# Altium PCB 0020-03_FFT2G.PcbDoc (part 8 of 16) (continued)
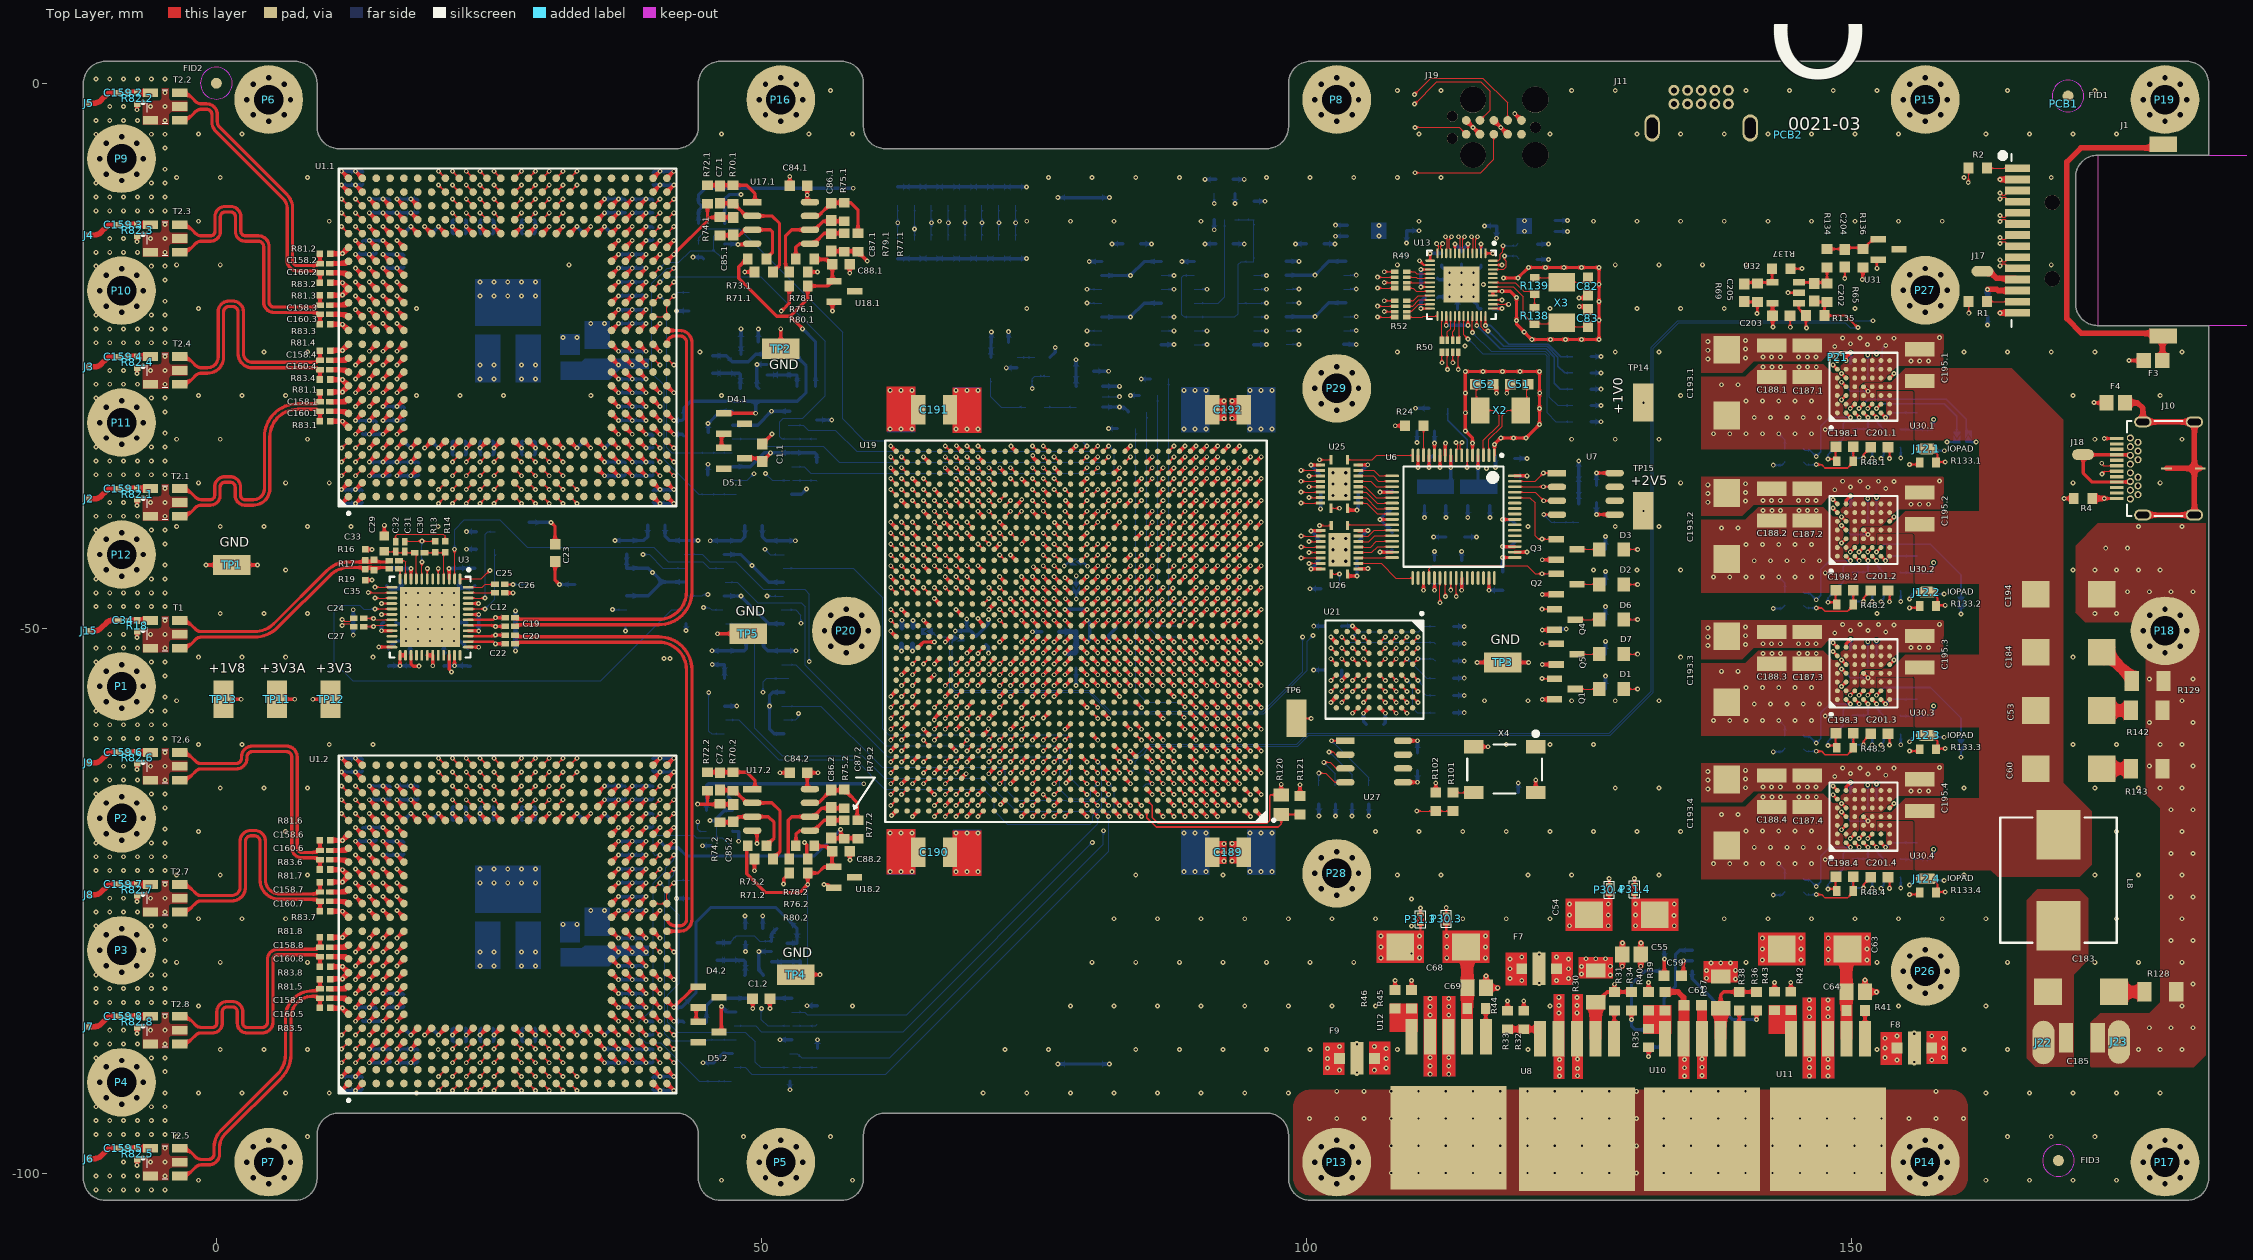
[diagram p0: Top Layer view]
## Nets (pads, with @x,y where several pads share a name; then routed paths per layer and width w, separated by ;. In a path a pad name is that pad's centre, name@x,y a point inside that pad or via, vN(x,y) a via of type N, cw(c..) or ccw(c..) an arc to the next point about the centre after c; other vN are vias at no path point) (continued)
  Top Layer w0.3: v1(-7.273,-99.29) R82.5.2@-7.273,-98.728 ; v1(-7.273,-87.183) R82.8.2@-7.273,-86.621 ; v1(-7.273,-75.076) R82.7.2@-7.273,-74.514 ; v1(-7.273,-62.969) R82.6.2@-7.273,-62.407 ; v1(-7.273,-50.862) R18.2@-7.273,-50.3 ; v1(-7.273,-38.755) R82.1.2@-7.273,-38.193 ; v1(-7.273,-26.647) R82.4.2@-7.273,-26.085 ; v1(-7.273,-14.54) R82.3.2@-7.273,-13.978 ; v1(-7.273,-2.432) R82.2.2@-7.273,-1.87 ; v1(-0.948,-44.207) v1(3.776,-44.207) ; v1(11.493,-92.418) U1.2.A1@12.128,-91.783 ; v1(11.493,-61.938) U1.2.A24@12.128,-62.573 ; v1(11.493,-38.562) U1.1.A1@12.128,-37.927 ; v1(11.493,-8.082) U1.1.A24@12.128,-8.717 ; v1(12.763,-92.418) U1.2.B1@13.398,-91.783 ; v1(12.763,-86.068) U1.2.B6@13.398,-85.433 ; v1(12.763,-84.798) U1.2.B7@13.398,-84.163 ; v1(12.763,-83.528) U1.2.B8@13.398,-82.893 ; v1(12.763,-82.258) U1.2.B9@13.398,-81.623 ; v1(12.763,-80.988) U1.2.B10@13.398,-80.353 ; v1(12.763,-79.718) U1.2.B11@13.398,-79.083 ; v1(12.763,-74.638) U1.2.B14@13.398,-75.273 ; v1(12.763,-73.368) U1.2.B15@13.398,-74.003 ; v1(12.763,-72.098) U1.2.B16@13.398,-72.733 ; v1(12.763,-70.828) U1.2.B17@13.398,-71.463 ; v1(12.763,-69.558) U1.2.B18@13.398,-70.193 ; v1(12.763,-68.288) U1.2.B19@13.398,-68.923 ; v1(12.763,-61.938) U1.2.B24@13.398,-62.573 ; v1(12.763,-38.562) U1.1.B1@13.398,-37.927 ; v1(12.763,-32.212) U1.1.B6@13.398,-31.577 ; v1(12.763,-30.942) U1.1.B7@13.398,-30.307 ; v1(12.763,-29.672) U1.1.B8@13.398,-29.037 ; v1(12.763,-28.402) U1.1.B9@13.398,-27.767 ; v1(12.763,-27.132) U1.1.B10@13.398,-26.497 ; v1(12.763,-25.862) U1.1.B11@13.398,-25.227 ; v1(12.763,-20.782) U1.1.B14@13.398,-21.417 ; v1(12.763,-19.512) U1.1.B15@13.398,-20.147 ; v1(12.763,-18.242) U1.1.B16@13.398,-18.877 ; v1(12.763,-16.972) U1.1.B17@13.398,-17.607 ; v1(12.763,-15.702) U1.1.B18@13.398,-16.337 ; v1(12.763,-14.432) U1.1.B19@13.398,-15.067 ; v1(12.763,-8.082) U1.1.B24@13.398,-8.717 ; R19.2@13.646,-45.588 v1(14.271,-45.588) ; R16.2@13.646,-42.78 v1(14.271,-42.78) ; v1(14.033,-88.608) U1.2.C4@14.668,-87.973 ; v1(14.033,-84.798) U1.2.C7@14.668,-84.163 ; v1(14.033,-83.528) U1.2.C8@14.668,-82.893 ; v1(14.033,-82.258) U1.2.C9@14.668,-81.623 ; v1(14.033,-80.988) U1.2.C10@14.668,-80.353 ; v1(14.033,-79.718) U1.2.C11@14.668,-79.083 ; v1(14.033,-78.448) U1.2.C12@14.668,-77.813 ; v1(14.033,-75.908) U1.2.C13@14.668,-76.543 ; v1(14.033,-74.638) U1.2.C14@14.668,-75.273 ; v1(14.033,-73.368) U1.2.C15@14.668,-74.003 ; v1(14.033,-72.098) U1.2.C16@14.668,-72.733 ; v1(14.033,-70.828) U1.2.C17@14.668,-71.463 ; v1(14.033,-69.558) U1.2.C18@14.668,-70.193 ; v1(14.033,-65.748) U1.2.C21@14.668,-66.383 ; v1(14.033,-34.752) U1.1.C4@14.668,-34.117 ; v1(14.033,-30.942) U1.1.C7@14.668,-30.307 ; v1(14.033,-29.672) U1.1.C8@14.668,-29.037 ; v1(14.033,-28.402) U1.1.C9@14.668,-27.767 ; v1(14.033,-27.132) U1.1.C10@14.668,-26.497 ; v1(14.033,-25.862) U1.1.C11@14.668,-25.227 ; v1(14.033,-24.592) U1.1.C12@14.668,-23.957 ; v1(14.033,-22.052) U1.1.C13@14.668,-22.687 ; v1(14.033,-20.782) U1.1.C14@14.668,-21.417 ; v1(14.033,-19.512) U1.1.C15@14.668,-20.147 ; v1(14.033,-18.242) U1.1.C16@14.668,-18.877 ; v1(14.033,-16.972) U1.1.C17@14.668,-17.607 ; v1(14.033,-15.702) U1.1.C18@14.668,-16.337 ; v1(14.033,-11.892) U1.1.C21@14.668,-12.527 ; v1(15.303,-88.608) U1.2.D4@15.938,-87.973 ; v1(15.303,-83.528) U1.2.D8@15.938,-82.893 ; v1(15.303,-82.258) U1.2.D9@15.938,-81.623 ; v1(15.303,-80.988) U1.2.D10@15.938,-80.353 ; v1(15.303,-79.718) U1.2.D11@15.938,-79.083 ; v1(15.303,-78.448) U1.2.D12@15.938,-77.813 ; v1(15.303,-75.908) U1.2.D13@15.938,-76.543 ; v1(15.303,-74.638) U1.2.D14@15.938,-75.273 ; v1(15.303,-73.368) U1.2.D15@15.938,-74.003 ; v1(15.303,-72.098) U1.2.D16@15.938,-72.733 ; v1(15.303,-70.828) U1.2.D17@15.938,-71.463 ; v1(15.303,-65.748) U1.2.D21@15.938,-66.383 ; v1(15.303,-34.752) U1.1.D4@15.938,-34.117 ; v1(15.303,-29.672) U1.1.D8@15.938,-29.037 ; v1(15.303,-28.402) U1.1.D9@15.938,-27.767 ; v1(15.303,-27.132) U1.1.D10@15.938,-26.497 ; v1(15.303,-25.862) U1.1.D11@15.938,-25.227 ; v1(15.303,-24.592) U1.1.D12@15.938,-23.957 ; v1(15.303,-22.052) U1.1.D13@15.938,-22.687 ; v1(15.303,-20.782) U1.1.D14@15.938,-21.417 ; v1(15.303,-19.512) U1.1.D15@15.938,-20.147 ; v1(15.303,-18.242) U1.1.D16@15.938,-18.877 ; v1(15.303,-16.972) U1.1.D17@15.938,-17.607 ; v1(15.303,-11.892) U1.1.D21@15.938,-12.527 ; C29.2@15.408,-41.45 v1(15.408,-40.567) ; v1(16.573,-88.608) U1.2.E4@17.208,-87.973 ; v1(16.573,-87.338) U1.2.E5@17.208,-86.703 ; v1(16.573,-83.528) U1.2.E8@17.208,-82.893 ; v1(16.573,-82.258) U1.2.E9@17.208,-81.623 ; v1(16.573,-80.988) U1.2.E10@17.208,-80.353 ; v1(16.573,-79.718) U1.2.E11@17.208,-79.083 ; v1(16.573,-78.448) U1.2.E12@17.208,-77.813 ; v1(16.573,-75.908) U1.2.E13@17.208,-76.543 ; v1(16.573,-74.638) U1.2.E14@17.208,-75.273 ; v1(16.573,-73.368) U1.2.E15@17.208,-74.003 ; v1(16.573,-72.098) U1.2.E16@17.208,-72.733 ; v1(16.573,-70.828) U1.2.E17@17.208,-71.463 ; v1(16.573,-67.018) U1.2.E20@17.208,-67.653 ; v1(16.573,-65.748) U1.2.E21@17.208,-66.383 ; v1(16.573,-34.752) U1.1.E4@17.208,-34.117 ; v1(16.573,-33.482) U1.1.E5@17.208,-32.847 ; v1(16.573,-29.672) U1.1.E8@17.208,-29.037 ; v1(16.573,-28.402) U1.1.E9@17.208,-27.767 ; v1(16.573,-27.132) U1.1.E10@17.208,-26.497 ; v1(16.573,-25.862) U1.1.E11@17.208,-25.227 ; v1(16.573,-24.592) U1.1.E12@17.208,-23.957 ; v1(16.573,-22.052) U1.1.E13@17.208,-22.687 ; v1(16.573,-20.782) U1.1.E14@17.208,-21.417 ; v1(16.573,-19.512) U1.1.E15@17.208,-20.147 ; v1(16.573,-18.242) U1.1.E16@17.208,-18.877 ; v1(16.573,-16.972) U1.1.E17@17.208,-17.607 ; v1(16.573,-13.162) U1.1.E20@17.208,-13.797 ; v1(16.573,-11.892) U1.1.E21@17.208,-12.527 ; v1(17.843,-88.608) U1.2.F4@18.478,-87.973 ; v1(17.843,-87.338) U1.2.F5@18.478,-86.703 ; v1(17.843,-67.018) U1.2.F20@18.478,-67.653 ; v1(17.843,-65.748) U1.2.F21@18.478,-66.383 ; v1(17.843,-34.752) U1.1.F4@18.478,-34.117 ; v1(17.843,-33.482) U1.1.F5@18.478,-32.847 ; v1(17.843,-13.162) U1.1.F20@18.478,-13.797 ; v1(17.843,-11.892) U1.1.F21@18.478,-12.527 ; U3.27@17.856,-52.491 17.856,-53.266 18.081,-53.491 v1(18.585,-53.491) ; v1(19.113,-87.338) U1.2.G5@19.748,-86.703 ; v1(19.113,-67.018) U1.2.G20@19.748,-67.653 ; v1(19.113,-33.482) U1.1.G5@19.748,-32.847 ; v1(19.113,-13.162) U1.1.G20@19.748,-13.797 ; U3.34@21.356,-52.491 21.356,-53.794 v1(21.573,-54.011) ; v1(21.653,-87.338) U1.2.J5@22.288,-86.703 ; v1(21.653,-67.018) U1.2.J20@22.288,-67.653 ; v1(21.653,-33.482) U1.1.J5@22.288,-32.847 ; v1(21.653,-13.162) U1.1.J20@22.288,-13.797 ; v1(24.193,-87.338) U1.2.L5@24.828,-86.703 ; v1(24.193,-67.018) U1.2.L20@24.828,-67.653 ; v1(24.193,-33.482) U1.1.L5@24.828,-32.847 ; v1(24.193,-13.162) U1.1.L20@24.828,-13.797 ; C26.2@26.468,-46.759 v1(27.21,-46.759) ; U1.2.P5@28.638,-86.703 v1(29.273,-87.338) ; U1.2.P20@28.638,-67.653 v1(29.273,-67.018) ; U1.1.P5@28.638,-32.847 v1(29.273,-33.482) ; U1.1.P20@28.638,-13.797 v1(29.273,-13.162) ; C23.1@31.081,-43.902 31.081,-45.604 v1(31.471,-45.994) ; U1.2.T5@31.178,-86.703 v1(31.813,-87.338) ; U1.2.T20@31.178,-67.653 v1(31.813,-67.018) ; U1.1.T5@31.178,-32.847 v1(31.813,-33.482) ; U1.1.T20@31.178,-13.797 v1(31.813,-13.162) ; U1.2.V5@33.718,-86.703 v1(34.353,-87.338) ; U1.2.V20@33.718,-67.653 v1(34.353,-67.018) ; U1.1.V5@33.718,-32.847 v1(34.353,-33.482) ; U1.1.V20@33.718,-13.797 v1(34.353,-13.162) ; U1.2.W4@34.988,-87.973 v1(35.623,-88.608) ; U1.2.W5@34.988,-86.703 v1(35.623,-87.338) ; U1.2.W20@34.988,-67.653 v1(35.623,-67.018) ; U1.2.W21@34.988,-66.383 v1(35.623,-65.748) ; U1.1.W4@34.988,-34.117 v1(35.623,-34.752) ; U1.1.W5@34.988,-32.847 v1(35.623,-33.482) ; U1.1.W20@34.988,-13.797 v1(35.623,-13.162) ; U1.1.W21@34.988,-12.527 v1(35.623,-11.892) ; U1.2.Y4@36.258,-87.973 v1(36.893,-88.608) ; U1.2.Y5@36.258,-86.703 v1(36.893,-87.338) ; U1.2.Y8@36.258,-82.893 v1(36.893,-83.528) ; U1.2.Y9@36.258,-81.623 v1(36.893,-82.258) ; U1.2.Y12@36.258,-77.813 v1(36.893,-78.448) ; U1.2.Y13@36.258,-76.543 v1(36.893,-75.908) ; U1.2.Y16@36.258,-72.733 v1(36.893,-72.098) ; U1.2.Y17@36.258,-71.463 v1(36.893,-70.828) ; U1.2.Y20@36.258,-67.653 v1(36.893,-67.018) ; U1.2.Y21@36.258,-66.383 v1(36.893,-65.748) ; U1.1.Y4@36.258,-34.117 v1(36.893,-34.752) ; U1.1.Y5@36.258,-32.847 v1(36.893,-33.482) ; U1.1.Y8@36.258,-29.037 v1(36.893,-29.672) ; U1.1.Y9@36.258,-27.767 v1(36.893,-28.402) ; U1.1.Y12@36.258,-23.957 v1(36.893,-24.592) ; U1.1.Y13@36.258,-22.687 v1(36.893,-22.052) ; U1.1.Y16@36.258,-18.877 v1(36.893,-18.242) ; U1.1.Y17@36.258,-17.607 v1(36.893,-16.972) ; U1.1.Y20@36.258,-13.797 v1(36.893,-13.162) ; U1.1.Y21@36.258,-12.527 v1(36.893,-11.892) ; U1.2.AA4@37.528,-87.973 v1(38.163,-88.608) ; U1.2.AA8@37.528,-82.893 v1(38.163,-83.528) ; U1.2.AA9@37.528,-81.623 v1(38.163,-82.258) ; U1.2.AA12@37.528,-77.813 v1(38.163,-78.448) ; U1.2.AA13@37.528,-76.543 v1(38.163,-75.908) ; U1.2.AA16@37.528,-72.733 v1(38.163,-72.098) ; U1.2.AA17@37.528,-71.463 v1(38.163,-70.828) ; U1.2.AA21@37.528,-66.383 v1(38.163,-65.748) ; U1.1.AA4@37.528,-34.117 v1(38.163,-34.752) ; U1.1.AA8@37.528,-29.037 v1(38.163,-29.672) ; U1.1.AA9@37.528,-27.767 v1(38.163,-28.402) ; U1.1.AA12@37.528,-23.957 v1(38.163,-24.592) ; U1.1.AA13@37.528,-22.687 v1(38.163,-22.052) ; U1.1.AA16@37.528,-18.877 v1(38.163,-18.242) ; U1.1.AA17@37.528,-17.607 v1(38.163,-16.972) ; U1.1.AA21@37.528,-12.527 v1(38.163,-11.892) ; U1.2.AB4@38.798,-87.973 v1(39.433,-88.608) ; U1.2.AB6@38.798,-85.433 v1(39.433,-86.068) ; U1.2.AB8@38.798,-82.893 v1(39.433,-83.528) ; U1.2.AB9@38.798,-81.623 v1(39.433,-82.258) ; U1.2.AB12@38.798,-77.813 v1(39.433,-78.448) ; U1.2.AB13@38.798,-76.543 v1(39.433,-75.908) ; U1.2.AB16@38.798,-72.733 v1(39.433,-72.098) ; U1.2.AB17@38.798,-71.463 v1(39.433,-70.828) ; U1.2.AB19@38.798,-68.923 v1(39.433,-68.288) ; U1.2.AB21@38.798,-66.383 v1(39.433,-65.748) ; U1.1.AB4@38.798,-34.117 v1(39.433,-34.752) ; U1.1.AB6@38.798,-31.577 v1(39.433,-32.212) ; U1.1.AB8@38.798,-29.037 v1(39.433,-29.672) ; U1.1.AB9@38.798,-27.767 v1(39.433,-28.402) ; U1.1.AB12@38.798,-23.957 v1(39.433,-24.592) ; U1.1.AB13@38.798,-22.687 v1(39.433,-22.052) ; U1.1.AB16@38.798,-18.877 v1(39.433,-18.242) ; U1.1.AB17@38.798,-17.607 v1(39.433,-16.972) ; U1.1.AB19@38.798,-15.067 v1(39.433,-14.432) ; U1.1.AB21@38.798,-12.527 v1(39.433,-11.892) ; U1.2.AC1@40.068,-91.783 v1(40.703,-92.418) ; U1.2.AC6@40.068,-85.433 v1(40.703,-86.068) ; U1.2.AC7@40.068,-84.163 v1(40.703,-84.798) ; U1.2.AC8@40.068,-82.893 v1(40.703,-83.528) ; U1.2.AC12@40.068,-77.813 v1(40.703,-78.448) ; U1.2.AC13@40.068,-76.543 v1(40.703,-75.908) ; U1.2.AC19@40.068,-68.923 v1(40.703,-68.288) ; U1.2.AC24@40.068,-62.573 v1(40.703,-61.938) ; U1.1.AC1@40.068,-37.927 v1(40.703,-38.562) ; U1.1.AC6@40.068,-31.577 v1(40.703,-32.212) ; U1.1.AC7@40.068,-30.307 v1(40.703,-30.942) ; U1.1.AC8@40.068,-29.037 v1(40.703,-29.672) ; U1.1.AC12@40.068,-23.957 v1(40.703,-24.592) ; U1.1.AC13@40.068,-22.687 v1(40.703,-22.052) ; U1.1.AC19@40.068,-15.067 v1(40.703,-14.432) ; U1.1.AC24@40.068,-8.717 v1(40.703,-8.082) ; U1.2.AD1@41.338,-91.783 v1(41.973,-92.418) ; U1.2.AD6@41.338,-85.433 v1(41.973,-86.068) ; U1.2.AD9@41.338,-81.623 v1(41.973,-82.258) ; U1.2.AD19@41.338,-68.923 v1(41.973,-68.288) ; U1.2.AD24@41.338,-62.573 v1(41.973,-61.938) ; U1.1.AD1@41.338,-37.927 v1(41.973,-38.562) ; U1.1.AD6@41.338,-31.577 v1(41.973,-32.212) ; U1.1.AD9@41.338,-27.767 v1(41.973,-28.402) ; U1.1.AD19@41.338,-15.067 v1(41.973,-14.432) ; U1.1.AD24@41.338,-8.717 v1(41.973,-8.082) ; v1(45.991,-50.512) TP5.1@48.785,-50.512 ; D5.2.3@46.323,-87.059 46.337,-87.045 v1(46.337,-84.72) ; v1(47.873,-14.789) 48.333,-14.789 48.346,-14.776 49.358,-14.776 U17.1.4@49.415,-14.719 ; v1(48.482,-17.314) R71.1.1@49.365,-17.314 ; D5.1.3@48.648,-34.409 49.776,-34.409 C1.1.2@50.081,-34.714 50.081,-34.689 50.406,-34.364 50.431,-34.364 50.848,-33.947 v1(50.848,-33.914) ; R71.2.1@49.365,-71.17 49.365,-72.256 v1(49.373,-72.264) ; U17.2.4@49.415,-68.575 49.598,-68.758 v1(49.598,-69.764) ; v1(50.792,-84.898) C1.2.2@50.792,-84.005 ; v1(51.717,-63.27) C84.2.1@52.615,-63.27 ; v1(51.782,-22.536) 51.782,-24.356 TP2.1@51.796,-24.369 ; C84.1.1@52.615,-9.414 v1(52.615,-8.571) ; TP4.1@53.165,-81.799 v1(55.39,-81.799) ; v1(53.973,-69.664) 54.165,-69.856 54.165,-71.07 R76.2.1@54.265,-71.17 ; R76.1.1@54.265,-17.314 v1(55.148,-17.314) ; v1(55.745,-73.518) 56.08,-73.518 56.37,-73.808 U18.2.2@56.495,-73.808 ; v1(56.52,-20.89) U18.1.2@56.52,-20.055 ; C88.2.1@58.115,-70.47 58.115,-71.256 v1(58.148,-71.289) ; v1(58.115,-17.427) C88.1.1@58.115,-16.614 ; v1(61.875,-56.28) U19.M34@62.375,-55.78 ; v1(61.875,-45.28) U19.AB34@62.375,-45.78 ; v1(61.875,-35.28) U19.AM34@62.375,-35.78 ; v1(61.875,-33.28) U19.AP34@62.375,-33.78 ; v1(61.959,-67.196) U19.A34@62.375,-66.78 ; v1(62.875,-59.28) U19.J33@63.375,-58.78 ; v1(62.875,-48.28) U19.W33@63.375,-48.78 ; v1(62.875,-38.297) 62.892,-38.297 U19.AJ33@63.375,-38.78 ; v1(63.875,-62.28) U19.F32@64.375,-61.78 ; v1(63.875,-41.28) U19.AF32@64.375,-41.78 ; U19.T32@64.375,-51.78 64.875,-51.28 65.87,-51.28 v1(65.875,-51.275) ; v1(64.875,-44.28) U19.AC31@65.375,-44.78 ; v1(64.875,-34.28) U19.AN31@65.375,-34.78 ; U19.C31@65.375,-64.78 v1(65.875,-65.28) ; U19.N31@65.375,-54.78 v1(65.87,-54.285) ; v1(65.873,-58.439) 65.873,-58.282 U19.K30@66.375,-57.78 ; v1(65.875,-47.28) U19.Y30@66.375,-47.78 ; v1(65.875,-37.28) U19.AK30@66.375,-37.78 ; v1(66.773,-40.339) 66.934,-40.339 U19.AG29@67.375,-40.78 ; v1(66.875,-51.28) U19.U29@67.375,-50.78 ; U19.G29@67.375,-60.78 v1(67.875,-61.28) ; v1(67.875,-54.28) U19.P28@68.375,-53.78 ; v1(67.875,-43.28) U19.AD28@68.375,-43.78 ; v1(67.898,-33.264) U19.AP28@68.375,-33.78 ; U19.D28@68.375,-63.78 v1@68.791,-63.364 ; v1(68.875,-67.28) U19.A27@69.375,-66.78 ; v1(68.875,-57.28) U19.L27@69.375,-56.78 ; v1(68.875,-46.28) U19.AA27@69.375,-46.78 ; v1(68.875,-36.28) U19.AL27@69.375,-36.78 ; v1@69.875,-49.1 U19.V26@70.375,-49.78 ; v1(69.875,-39.28) U19.AH26@70.375,-39.78 ; U19.H26@70.375,-59.78 v1@70.791,-59.364 ; v1(70.873,-63.364) 71.375,-62.862 U19.E25@71.375,-62.78 ; v1(70.875,-53.28) U19.R25@71.375,-52.78 ; U19.AE25@71.375,-42.78 v1(71.875,-42.28) ; v1(71.875,-56.28) U19.M24@72.375,-55.78 ; v1(71.875,-45.28) U19.AB24@72.375,-45.78 ; v1(71.883,-35.287) U19.AM24@72.375,-35.78 ; v1(71.959,-66.196) U19.B24@72.375,-65.78 ; v1(72.875,-59.28) U19.J23@73.375,-58.78 ; v1(72.875,-53.28) U19.R23@73.375,-52.78 ; v1(72.875,-48.28) U19.W23@73.375,-48.78 ; U19.AJ23@73.375,-38.78 73.898,-38.257 v1(73.898,-38.189) ; v1(73.875,-62.28) U19.F22@74.375,-61.78 ; v1(73.875,-54.28) U19.P22@74.375,-53.78 ; v1(73.875,-52.28) U19.T22@74.375,-51.78 ; v1(73.875,-49.28) U19.V22@74.375,-49.78 ; v1(73.875,-47.28) U19.Y22@74.375,-47.78 ; v1(73.875,-45.28) U19.AB22@74.375,-45.78 ; v1(73.898,-42.289) 73.898,-42.257 U19.AF22@74.375,-41.78 ; v1(74.875,-65.28) U19.C21@75.375,-64.78 ; v1(74.875,-55.28) U19.N21@75.375,-54.78 ; v1(74.875,-53.28) U19.R21@75.375,-52.78 ; v1(74.875,-51.28) U19.U21@75.375,-50.78 ; v1(74.875,-48.28) U19.W21@75.375,-48.78 ; v1(74.875,-46.28) U19.AA21@75.375,-46.78 ; v1(74.912,-34.17) 74.912,-34.316 U19.AN21@75.375,-34.78 ; v1(74.959,-44.364) U19.AC21@75.375,-44.78 ; v1(75.875,-56.28) U19.M20@76.375,-55.78 ; v1(75.875,-54.28) U19.P20@76.375,-53.78 ; v1(75.875,-52.28) U19.T20@76.375,-51.78 ; v1(75.875,-49.28) U19.V20@76.375,-49.78 ; v1(75.875,-47.28) U19.Y20@76.375,-47.78 ; v1(75.875,-45.28) U19.AB20@76.375,-45.78 ; v1(75.875,-37.28) U19.AK20@76.375,-37.78 ; v1(75.899,-58.256) U19.K20@76.375,-57.78 ; v1(76.875,-55.28) U19.N19@77.375,-54.78 ; v1(76.875,-53.28) U19.R19@77.375,-52.78 ; v1(76.875,-51.28) U19.U19@77.375,-50.78 ; v1(76.875,-48.28) U19.W19@77.375,-48.78 ; v1(76.875,-46.28) U19.AA19@77.375,-46.78 ; v1(76.899,-40.303) U19.AG19@77.375,-40.78 ; v1(76.959,-61.196) U19.G19@77.375,-60.78 ; v1(77.875,-54.28) U19.P18@78.375,-53.78 ; v1(77.875,-48.28) U19.W18@78.375,-48.78 ; v1(77.875,-43.28) U19.AD18@78.375,-43.78 ; v1(77.879,-45.372) 77.92,-45.372 78.327,-45.78 U19.AB18@78.375,-45.78 ; v1(77.899,-47.303) U19.Y18@78.375,-47.78 ; v1(77.959,-64.196) U19.D18@78.375,-63.78 ; U19.AP18@78.375,-33.78 v1(78.875,-33.28) ; U19.A17@79.375,-66.78 v1(79.875,-67.28) ; U19.L17@79.375,-56.78 v1(79.875,-57.28) ; U19.N17@79.375,-54.78 v1(79.875,-55.28) ; U19.R17@79.375,-52.78 v1(79.875,-53.28) ; U19.W17@79.375,-48.78 v1(79.875,-48.28) ; U19.AA17@79.375,-46.78 v1(79.875,-46.28) ; U19.AL17@79.375,-36.78 v1(79.875,-36.28) ; U19.H16@80.375,-59.78 v1(80.875,-60.28) ; U19.P16@80.375,-53.78 v1(80.875,-54.28) ; U19.T16@80.375,-51.78 v1(80.875,-52.28) ; U19.V16@80.375,-49.78 v1(80.875,-49.28) ; U19.Y16@80.375,-47.78 v1(80.875,-47.28) ; U19.AB16@80.375,-45.78 v1(80.875,-45.28) ; U19.AH16@80.375,-39.78 v1(80.875,-39.28) ; U19.E15@81.375,-62.78 v1(81.875,-63.28) ; U19.N15@81.375,-54.78 v1(81.875,-55.28) ; U19.R15@81.375,-52.78 v1(81.875,-53.28) ; U19.U15@81.375,-50.78 v1(81.875,-51.28) ; U19.W15@81.375,-48.78 v1(81.875,-48.28) ; U19.AA15@81.375,-46.78 v1(81.875,-46.28) ; U19.AE15@81.375,-42.78 v1(81.875,-42.28) ; U19.A14@82.375,-66.78 v1(82.875,-67.28) ; U19.B14@82.375,-65.78 v1(82.875,-66.28) ; U19.E14@82.375,-62.78 v1(82.875,-63.28) ; U19.M14@82.375,-55.78 v1(82.875,-56.28) ; U19.P14@82.375,-53.78 v1(82.875,-54.28) ; U19.T14@82.375,-51.78 v1(82.875,-52.28) ; U19.V14@82.375,-49.78 v1(82.875,-49.28) ; U19.Y14@82.375,-47.78 v1(82.875,-47.28) ; U19.AB14@82.375,-45.78 v1(82.875,-45.28) ; U19.AM14@82.375,-35.78 v1(82.875,-35.28) ; U19.B13@83.375,-65.78 v1(83.875,-66.28) ; U19.J13@83.375,-58.78 v1(83.875,-59.28) ; U19.N13@83.375,-54.78 v1(83.875,-55.28) ; U19.R13@83.375,-52.78 v1(83.875,-53.28) ; U19.U13@83.375,-50.78 v1(83.875,-51.28) ; U19.W13@83.375,-48.78 v1(83.878,-48.277) ; U19.AA13@83.375,-46.78 v1(83.875,-46.28) ; U19.AJ13@83.375,-38.78 v1(83.875,-38.28) ; v1(83.875,-61.28) U19.F12@84.375,-61.78 ; U19.J12@84.375,-58.78 v1(84.875,-59.28) ; U19.P12@84.375,-53.78 v1(84.875,-54.28) ; U19.T12@84.375,-51.78 v1(84.875,-52.28) ; U19.V12@84.375,-49.78 v1(84.875,-49.28) ; U19.Y12@84.375,-47.78 v1(84.875,-47.28) ; U19.AB12@84.375,-45.78 v1(84.875,-45.28) ; U19.AF12@84.375,-41.78 v1(84.875,-41.28) ; U19.C11@85.375,-64.78 v1(85.875,-65.28) ; U19.F11@85.375,-61.78 v1(85.875,-62.28) ; U19.N11@85.375,-54.78 v1(85.875,-55.28) ; U19.R11@85.375,-52.78 v1(85.875,-53.28) ; U19.U11@85.375,-50.78 v1(85.875,-51.28) ; U19.W11@85.375,-48.78 v1(85.887,-48.268) ; U19.AA11@85.375,-46.78 85.78,-46.375 v1(85.78,-46.322) ; U19.AC11@85.375,-44.78 v1(85.875,-44.28) ; U19.AN11@85.375,-34.78 v1(85.875,-34.28) ; U19.G10@86.375,-60.78 v1(86.875,-61.28) ; U19.K10@86.375,-57.78 v1(86.875,-58.28) ; U19.P10@86.375,-53.78 v1(86.875,-54.28) ; U19.T10@86.375,-51.78 v1(86.875,-52.28) ; U19.V10@86.375,-49.78 v1(86.872,-49.283) ; U19.Y10@86.375,-47.78 v1(86.791,-47.364) ; U19.AK10@86.375,-37.78 v1(86.875,-37.28) ; U19.G9@87.375,-60.78 v1(87.875,-61.28) ; U19.N9@87.375,-54.78 v1(87.875,-55.28) ; U19.R9@87.375,-52.78 v1(87.875,-53.28) ; U19.U9@87.375,-50.78 v1(87.875,-51.28) ; U19.W9@87.375,-48.78 v1(87.875,-48.28) ; U19.AA9@87.375,-46.78 87.78,-46.375 v1(87.78,-46.322) ; U19.AG9@87.375,-40.78 v1(87.875,-40.28) ; U19.D8@88.375,-63.78 v1(88.875,-64.28) ; U19.J8@88.375,-58.78 v1(88.875,-59.28) ; U19.M8@88.375,-55.78 v1(88.875,-56.28) ; U19.N8@88.375,-54.78 v1(88.875,-55.28) ; U19.T8@88.375,-51.78 v1(88.875,-52.28) ; U19.Y8@88.375,-47.78 v1(88.875,-47.28) ; U19.AB8@88.375,-45.78 v1(88.875,-45.28) ; U19.AM8@88.375,-35.78 v1(88.875,-35.28) ; U19.AN8@88.375,-34.78 v1(88.875,-34.28) ; U19.AP8@88.375,-33.78 v1(88.875,-33.28) ; U19.A7@89.375,-66.78 v1(89.875,-67.28) ; U19.B7@89.375,-65.78 v1(89.875,-66.28) ; U19.C7@89.375,-64.78 v1(89.875,-65.28) ; U19.D7@89.375,-63.78 v1(89.875,-64.28) ; U19.E7@89.375,-62.78 v1(89.875,-63.28) ; U19.F7@89.375,-61.78 v1(89.875,-62.28) ; U19.G7@89.375,-60.78 v1(89.875,-61.28) ; U19.H7@89.375,-59.78 v1(89.875,-60.28) ; U19.J7@89.375,-58.78 v1(89.875,-59.28) ; U19.K7@89.375,-57.78 v1(89.875,-58.28) ; U19.L7@89.375,-56.78 v1(89.875,-57.28) ; U19.M7@89.375,-55.78 v1(89.875,-56.28) ; U19.N7@89.375,-54.78 v1(89.875,-55.28) ; U19.P7@89.375,-53.78 v1(89.875,-54.28) ; U19.R7@89.375,-52.78 v1(89.875,-53.28) ; U19.T7@89.375,-51.78 v1(89.875,-52.28) ; U19.U7@89.375,-50.78 v1(89.875,-51.28) ; U19.V7@89.375,-49.78 v1(89.875,-49.28) ; U19.W7@89.375,-48.78 v1(89.875,-48.28) ; U19.Y7@89.375,-47.78 v1(89.875,-47.28) ; U19.AA7@89.375,-46.78 v1(89.875,-46.28) ; U19.AB7@89.375,-45.78 v1(89.875,-45.28) ; U19.AC7@89.375,-44.78 v1(89.875,-44.28) ; U19.AD7@89.375,-43.78 v1(89.875,-43.28) ; U19.AE7@89.375,-42.78 v1(89.875,-42.28) ; U19.AF7@89.375,-41.78 v1(89.875,-41.28) ; U19.AG7@89.375,-40.78 v1(89.875,-40.28) ; U19.AH7@89.375,-39.78 v1(89.875,-39.28) ; U19.AJ7@89.375,-38.78 v1(89.875,-38.28) ; U19.AK7@89.375,-37.78 v1(89.875,-37.28) ; U19.AL7@89.375,-36.78 v1(89.875,-36.28) ; U19.AM7@89.375,-35.78 v1(89.875,-35.28) ; U19.AN7@89.375,-34.78 v1(89.875,-34.28) ; U19.AP7@89.375,-33.78 v1(89.875,-33.28) ; U19.A6@90.375,-66.78 v1(90.875,-67.28) ; U19.B6@90.375,-65.78 v1(90.875,-66.28) ; U19.C6@90.375,-64.78 v1(90.875,-65.28) ; U19.D6@90.375,-63.78 v1(90.875,-64.28) ; U19.E6@90.375,-62.78 v1(90.875,-63.28) ; U19.G6@90.375,-60.78 v1(90.875,-61.28) ; U19.J6@90.375,-58.78 v1(90.875,-59.28) ; U19.K6@90.375,-57.78 v1(90.875,-58.28) ; U19.L6@90.375,-56.78 v1(90.875,-57.28) ; U19.N6@90.375,-54.78 v1(90.875,-55.28) ; U19.R6@90.375,-52.78 v1(90.875,-53.28) ; U19.U6@90.375,-50.78 v1(90.875,-51.28) ; U19.W6@90.375,-48.78 v1(90.875,-48.28) ; U19.Y6@90.375,-47.78 v1(90.875,-47.28) ; U19.AA6@90.375,-46.78 v1(90.875,-46.28) ; U19.AC6@90.375,-44.78 v1(90.875,-44.28) ; U19.AE6@90.375,-42.78 v1(90.875,-42.28) ; U19.AF6@90.375,-41.78 v1(90.875,-41.28) ; U19.AG6@90.375,-40.78 v1(90.875,-40.28) ; U19.AJ6@90.375,-38.78 v1(90.875,-38.28) ; U19.AL6@90.375,-36.78 v1(90.875,-36.28) ; U19.AM6@90.375,-35.78 v1(90.875,-35.28) ; U19.AN6@90.375,-34.78 v1(90.875,-34.28) ; U19.AP6@90.375,-33.78 v1(90.875,-33.28) ; U19.A5@91.375,-66.78 v1(91.875,-67.28) ; U19.B5@91.375,-65.78 v1(91.875,-66.28) ; U19.C5@91.375,-64.78 v1(91.875,-65.28) ; U19.D5@91.375,-63.78 v1(91.875,-64.28) ; U19.E5@91.375,-62.78 v1(91.875,-63.28) ; U19.G5@91.375,-60.78 v1(91.875,-61.28) ; U19.J5@91.375,-58.78 v1(91.875,-59.28) ; U19.K5@91.375,-57.78 v1(91.875,-58.28) ; U19.L5@91.375,-56.78 v1(91.875,-57.28) ; U19.N5@91.375,-54.78 v1(91.875,-55.28) ; U19.R5@91.375,-52.78 v1(91.875,-53.28) ; U19.U5@91.375,-50.78 v1(91.875,-51.28) ; U19.W5@91.375,-48.78 v1(91.875,-48.28) ; U19.Y5@91.375,-47.78 v1(91.875,-47.28) ; U19.AA5@91.375,-46.78 v1(91.875,-46.28) ; U19.AC5@91.375,-44.78 v1(91.875,-44.28) ; U19.AE5@91.375,-42.78 v1(91.875,-42.28) ; U19.AF5@91.375,-41.78 v1(91.875,-41.28) ; U19.AG5@91.375,-40.78 v1(91.875,-40.28) ; U19.AJ5@91.375,-38.78 v1(91.875,-38.28) ; U19.AL5@91.375,-36.78 v1(91.875,-36.28) ; U19.AM5@91.375,-35.78 v1(91.875,-35.28) ; U19.AN5@91.375,-34.78 v1(91.875,-34.28) ; U19.AP5@91.375,-33.78 v1(91.875,-33.28) ; U19.B4@92.375,-65.78 v1(92.875,-66.28) ; U19.D4@92.375,-63.78 v1(92.875,-64.28) ; U19.E4@92.375,-62.78 v1(92.875,-63.28) ; U19.F4@92.375,-61.78 v1(92.875,-62.28) ; U19.G4@92.375,-60.78 v1(92.875,-61.28) ; U19.H4@92.375,-59.78 v1(92.875,-60.28) ; U19.J4@92.375,-58.78 v1(92.875,-59.28) ; U19.K4@92.375,-57.78 v1(92.875,-58.28) ; U19.L4@92.375,-56.78 v1(92.875,-57.28) ; U19.M4@92.375,-55.78 v1(92.875,-56.28) ; U19.N4@92.375,-54.78 v1(92.875,-55.28) ; U19.P4@92.375,-53.78 v1(92.875,-54.28) ; U19.R4@92.375,-52.78 v1(92.875,-53.28) ; U19.T4@92.375,-51.78 v1(92.875,-52.28) ; U19.U4@92.375,-50.78 v1(92.875,-51.28) ; U19.V4@92.375,-49.78 v1(92.852,-49.303) ; U19.W4@92.375,-48.78 v1(92.875,-48.28) ; U19.Y4@92.375,-47.78 v1(92.875,-47.28) ; U19.AA4@92.375,-46.78 v1(92.875,-46.28) ; U19.AB4@92.375,-45.78 v1(92.875,-45.28) ; U19.AC4@92.375,-44.78 v1(92.875,-44.28) ; U19.AD4@92.375,-43.78 v1(92.875,-43.28) ; U19.AE4@92.375,-42.78 v1(92.875,-42.28) ; U19.AF4@92.375,-41.78 v1(92.875,-41.28) ; U19.AG4@92.375,-40.78 v1(92.875,-40.28) ; U19.AH4@92.375,-39.78 v1(92.875,-39.28) ; U19.AJ4@92.375,-38.78 v1(92.875,-38.28) ; U19.AK4@92.375,-37.78 v1(92.875,-37.28) ; U19.AL4@92.375,-36.78 v1(92.875,-36.28) ; U19.AM4@92.375,-35.78 v1(92.875,-35.28) ; U19.AP4@92.375,-33.78 v1(92.875,-33.28) ; U19.B3@93.375,-65.78 v1(93.875,-66.28) ; U19.D3@93.375,-63.78 v1(93.875,-64.28) ; U19.E3@93.375,-62.78 v1(93.875,-63.28) ; U19.F3@93.375,-61.78 v1(93.875,-62.28) ; U19.G3@93.375,-60.78 v1(93.875,-61.28) ; U19.H3@93.375,-59.78 v1(93.875,-60.28) ; U19.J3@93.375,-58.78 v1(93.875,-59.28) ; U19.K3@93.375,-57.78 v1(93.875,-58.28) ; U19.L3@93.375,-56.78 v1(93.875,-57.28) ; U19.M3@93.375,-55.78 v1(93.875,-56.28) ; U19.N3@93.375,-54.78 v1(93.875,-55.28) ; U19.P3@93.375,-53.78 v1(93.875,-54.28) ; U19.R3@93.375,-52.78 v1(93.875,-53.28) ; U19.T3@93.375,-51.78 v1(93.875,-52.28) ; U19.U3@93.375,-50.78 v1(93.875,-51.28) ; U19.V3@93.375,-49.78 v1(93.852,-49.303) ; U19.W3@93.375,-48.78 v1(93.875,-48.28) ; U19.Y3@93.375,-47.78 93.375,-47.762 v1(93.848,-47.289) ; U19.AA3@93.375,-46.78 v1(93.875,-46.28) ; U19.AB3@93.375,-45.78 v1(93.875,-45.28) ; U19.AC3@93.375,-44.78 v1(93.875,-44.28) ; U19.AD3@93.375,-43.78 v1(93.875,-43.28) ; U19.AE3@93.375,-42.78 v1(93.875,-42.28) ; U19.AF3@93.375,-41.78 v1(93.875,-41.28) ; U19.AG3@93.375,-40.78 v1(93.875,-40.28) ; U19.AH3@93.375,-39.78 v1(93.875,-39.28) ; U19.AJ3@93.375,-38.78 v1(93.875,-38.28) ; U19.AK3@93.375,-37.78 v1(93.875,-37.28) ; U19.AL3@93.375,-36.78 v1(93.875,-36.28) ; U19.AM3@93.375,-35.78 v1(93.875,-35.28) ; U19.AP3@93.375,-33.78 v1(93.875,-33.28) ; U19.A2@94.375,-66.78 v1(94.875,-67.28) ; U19.C2@94.375,-64.78 v1(94.875,-65.28) ; U19.E2@94.375,-62.78 v1(94.875,-63.28) ; U19.G2@94.375,-60.78 v1(94.875,-61.28) ; U19.J2@94.375,-58.78 v1(94.875,-59.28) ; U19.L2@94.375,-56.78 v1(94.875,-57.28) ; U19.N2@94.375,-54.78 v1(94.875,-55.28) ; U19.R2@94.375,-52.78 v1(94.875,-53.28) ; U19.U2@94.375,-50.78 v1(94.875,-51.28) ; U19.W2@94.375,-48.78 v1(94.875,-48.28) ; U19.AA2@94.375,-46.78 v1(94.875,-46.28) ; U19.AC2@94.375,-44.78 v1(94.875,-44.28) ; U19.AE2@94.375,-42.78 v1(94.875,-42.28) ; U19.AG2@94.375,-40.78 v1(94.875,-40.28) ; U19.AJ2@94.375,-38.78 v1(94.875,-38.28) ; U19.AL2@94.375,-36.78 v1(94.875,-36.28) ; U19.AN2@94.375,-34.78 v1(94.875,-34.28) ; U19.A1@95.375,-66.78 v1(95.875,-67.28) ; U19.C1@95.375,-64.78 v1(95.875,-65.28) ; U19.E1@95.375,-62.78 v1(95.875,-63.28) ; U19.G1@95.375,-60.78 v1(95.875,-61.28) ; U19.J1@95.375,-58.78 v1(95.875,-59.28) ; U19.L1@95.375,-56.78 v1(95.875,-57.28) ; U19.N1@95.375,-54.78 v1(95.875,-55.28) ; U19.U1@95.375,-50.78 v1(95.875,-51.28) ; U19.W1@95.375,-48.78 v1(95.875,-48.28) ; U19.AA1@95.375,-46.78 v1(95.875,-46.28) ; U19.AC1@95.375,-44.78 v1(95.875,-44.28) ; U19.AE1@95.375,-42.78 v1(95.875,-42.28) ; U19.AG1@95.375,-40.78 v1(95.875,-40.28) ; U19.AJ1@95.375,-38.78 v1(95.875,-38.28) ; U19.AL1@95.375,-36.78 v1(95.875,-36.28) ; U19.AN1@95.375,-34.78 v1(95.875,-34.28) ; U19.R1@95.377,-52.78 v1(95.877,-53.28) ; R120.1@97.706,-65.296 v1(97.706,-64.331) ; v1@100.465,-44.56 U26.9@101.324,-44.56 ; v1(102.26,-56.812) U21.H7@102.76,-56.312 ; v1(102.26,-50.812) U21.H2@102.76,-51.312 ; U25.11@103.79,-39.177 v1(104.649,-39.177) ; U26.11@103.799,-45.21 v1(104.659,-45.21) ; U26.12@104.774,-44.56 v1@105.634,-44.56 ; v1(105.26,-57.812) U21.E8@105.76,-57.312 ; v1(106.769,-40.025) U6.25@107.891,-40.025 ; R46.2@108.164,-83.186 v1(108.164,-82.346) ; U27.5@108.586,-64.146 v1(110.207,-64.146) ; v1(110.266,-35.273) U6.15@110.266,-34.15 ; v1(110.766,-46.523) U6.35@110.766,-45.4 ; v1(111.266,-35.273) U6.13@111.266,-34.15 ; R102.1@111.889,-65.087 v1(111.889,-64.222) ; v1(112.266,-35.273) U6.11@112.266,-34.15 ; U6.10@112.766,-34.15 v1(112.766,-33.028) ; J19.5@114.673,-3.414 v1(115.308,-4.049) J19.7@115.943,-4.684 ; U6.5@115.266,-34.15 v1(115.266,-33.028) 115.266,-32.566 v1(114.6,-31.9) v1(114.6,-26.45) v1(121.4,-26.45) v1(121.4,-31.325) v1(120.175,-32.55) v1(117.857,-32.55) v1(117.266,-33.141) U6.1@117.266,-34.15 ; X4.2@115.359,-60.887 v1(116.685,-60.887) ; v1(115.689,-53.148) TP3.1@118.051,-53.148 v1(120.413,-53.148) ; v1(116.766,-46.523) U6.47@116.766,-45.4 ; J19.3@117.213,-3.414 v1(117.848,-4.049) J19.9@118.483,-4.684 ; v6@117.475,-28.475 C52.1@117.475,-27.825 ; v1(117.976,-19.086) 118.711,-19.086 v1(119.3,-19.675) 119.3,-22.125 v1(120.7,-23.525) v1(126.875,-23.525) v1(126.875,-16.9) v1(120.4,-16.9) v1(119.433,-17.867) v1(118.09,-17.867) ; v1(118.019,-42.525) U6.51@119.141,-42.525 ; v6@118.4,-28.475 C51.1@118.4,-27.825 ; R33.2@118.462,-85.05 v1(118.462,-84.21) ; v1(121.655,-56.536) Q1.2@122.789,-56.536 ; v1(121.655,-50.16) Q4.2@122.789,-50.16 ; v6@125,-19.7 C82.1@125.65,-19.7 ; v6(125.05,-20.5) 125.4,-20.5 C83.1@125.85,-20.95 ; v1(126.632,-39.584) U7.5@128.003,-39.584 ; R40.2@131.419,-83.35 v1(131.419,-82.51) ; C59.2@132.837,-81.9 132.863,-81.875 v1(132.863,-80.374) ; R43.2@142.962,-83.371 v1(142.962,-82.506) ; v1(169.55,-38.1) R4.1@170.425,-38.1 ; v1(172.275,-29.3) 172.3,-29.325 F4.1@173.425,-29.325 ; v1(175.502,-25.45) F3.1@176.85,-25.45
  Top Layer w0.45: R83.8.2@10.464,-81.059 v1(11.565,-81.059) U1.2.A9@12.128,-81.623 v1(11.565,-82.186) R81.5.1@10.479,-82.186 ; R81.8.1@10.464,-78.376 v1(11.565,-78.376) U1.2.A12@12.128,-77.813 ; R83.7.2@10.464,-75.979 v1(11.565,-75.979) U1.2.A13@12.128,-76.543 ; R81.7.1@10.464,-73.296 v1(11.565,-73.296) U1.2.A16@12.128,-72.733 v1(11.565,-72.169) R83.6.2@10.491,-72.169 ; R81.6.1@10.479,-69.486 v1(11.565,-69.486) U1.2.A19@12.128,-68.923 ; R83.1.2@10.483,-31.013 v1(11.565,-31.013) U1.1.A6@12.128,-31.577 ; R83.4.2@10.483,-27.203 v1(11.565,-27.203) U1.1.A9@12.128,-27.767 v1(11.565,-28.33) R81.1.1@10.487,-28.33 ; R83.3.2@10.483,-22.123 v1(11.565,-22.123) U1.1.A13@12.128,-22.687 ; R83.2.2@10.483,-18.313 v1(11.565,-18.313) U1.1.A16@12.128,-18.877 v1(11.565,-19.44) R81.3.1@10.487,-19.44 ; R81.4.1@10.487,-24.52 v1(11.565,-24.52) U1.1.A12@12.128,-23.957 ; R81.2.1@10.487,-15.63 v1(11.565,-15.63) U1.1.A19@12.128,-15.067 ; R83.5.2@10.491,-84.869 v1(11.565,-84.869) U1.2.A6@12.128,-85.433
  Top Layer w0.5: C69.2@116.494,-83.005 116.505,-82.994 v1(116.505,-81.93) ; C69.2@116.494,-82.994 116.505,-83.005 v1(117.569,-83.005) ; v1(130.698,-81.021) 130.698,-79.957 130.708,-79.946 v1(130.708,-78.882) ; C64.2@151.264,-83.375 151.275,-83.364 v1(151.275,-82.3) ; C64.2@151.264,-83.364 151.275,-83.375 v1(152.339,-83.375)
  Bottom Layer w0.1: v1@112.965,-84.733 v1(113.075,-84.733) ; v1@112.965,-83.971 v1(113.075,-83.971)
  Bottom Layer w0.15: v1(78.9,-47.325) P31.1.2@78.9,-46.675 ; v1(142.85,-74.497) 143.625,-74.497 R145.4.2@143.925,-74.197 ; v1(142.85,-61.348) 143.625,-61.348 R145.3.2@143.925,-61.048 ; v1(142.85,-48.199) 143.625,-48.199 R145.2.2@143.925,-47.899 ; v1(142.85,-35.05) 143.625,-35.05 R145.1.2@143.925,-34.75 ; C200.4.2@151.54,-72.821 151.935,-73.216 v1(151.935,-73.85) ; C200.3.2@151.54,-59.672 151.935,-60.066 v1(151.935,-60.701) ; C200.2.2@151.54,-46.523 151.935,-46.917 v1(151.935,-47.552) ; C200.1.2@151.54,-33.374 151.935,-33.768 v1(151.935,-34.402) ; J20.1.1@152.325,-26.15 152.325,-26.075 152.85,-25.55 152.85,-24.377 v1(153.175,-24.052) ; v1(152.747,-73.875) 152.747,-73.8 153.001,-73.546 R47.4.1@153.001,-72.871 ; v1(152.747,-60.726) 152.747,-60.651 153.001,-60.397 R47.3.1@153.001,-59.722 ; v1(152.747,-47.577) 152.747,-47.502 153.001,-47.248 R47.2.1@153.001,-46.573 ; v1(152.747,-34.428) 152.747,-34.353 153.001,-34.099 R47.1.1@153.001,-33.424 ; R131.4.1@154.5,-72.871 154.551,-72.922 v1(154.551,-73.85) ; R131.3.1@154.5,-59.722 154.551,-59.773 v1(154.551,-60.701) ; R131.2.1@154.5,-46.573 154.551,-46.624 v1(154.551,-47.552) ; R131.1.1@154.5,-33.424 154.551,-33.474 v1(154.551,-34.402) ; C199.4.2@157.497,-72.821 157.84,-73.164 v1(158.539,-73.164) ; C199.3.2@157.497,-59.672 157.84,-60.015 v1(158.539,-60.015) ; C199.2.2@157.497,-46.523 157.84,-46.866 v1(158.539,-46.866) ; C199.1.2@157.497,-33.374 157.84,-33.717 158.539,-33.717 v1(158.55,-33.728) ; P25.1@160.57,-32.942 v1@161.465,-32.942